# KiCad board frankenso.kicad_pcb (continued)
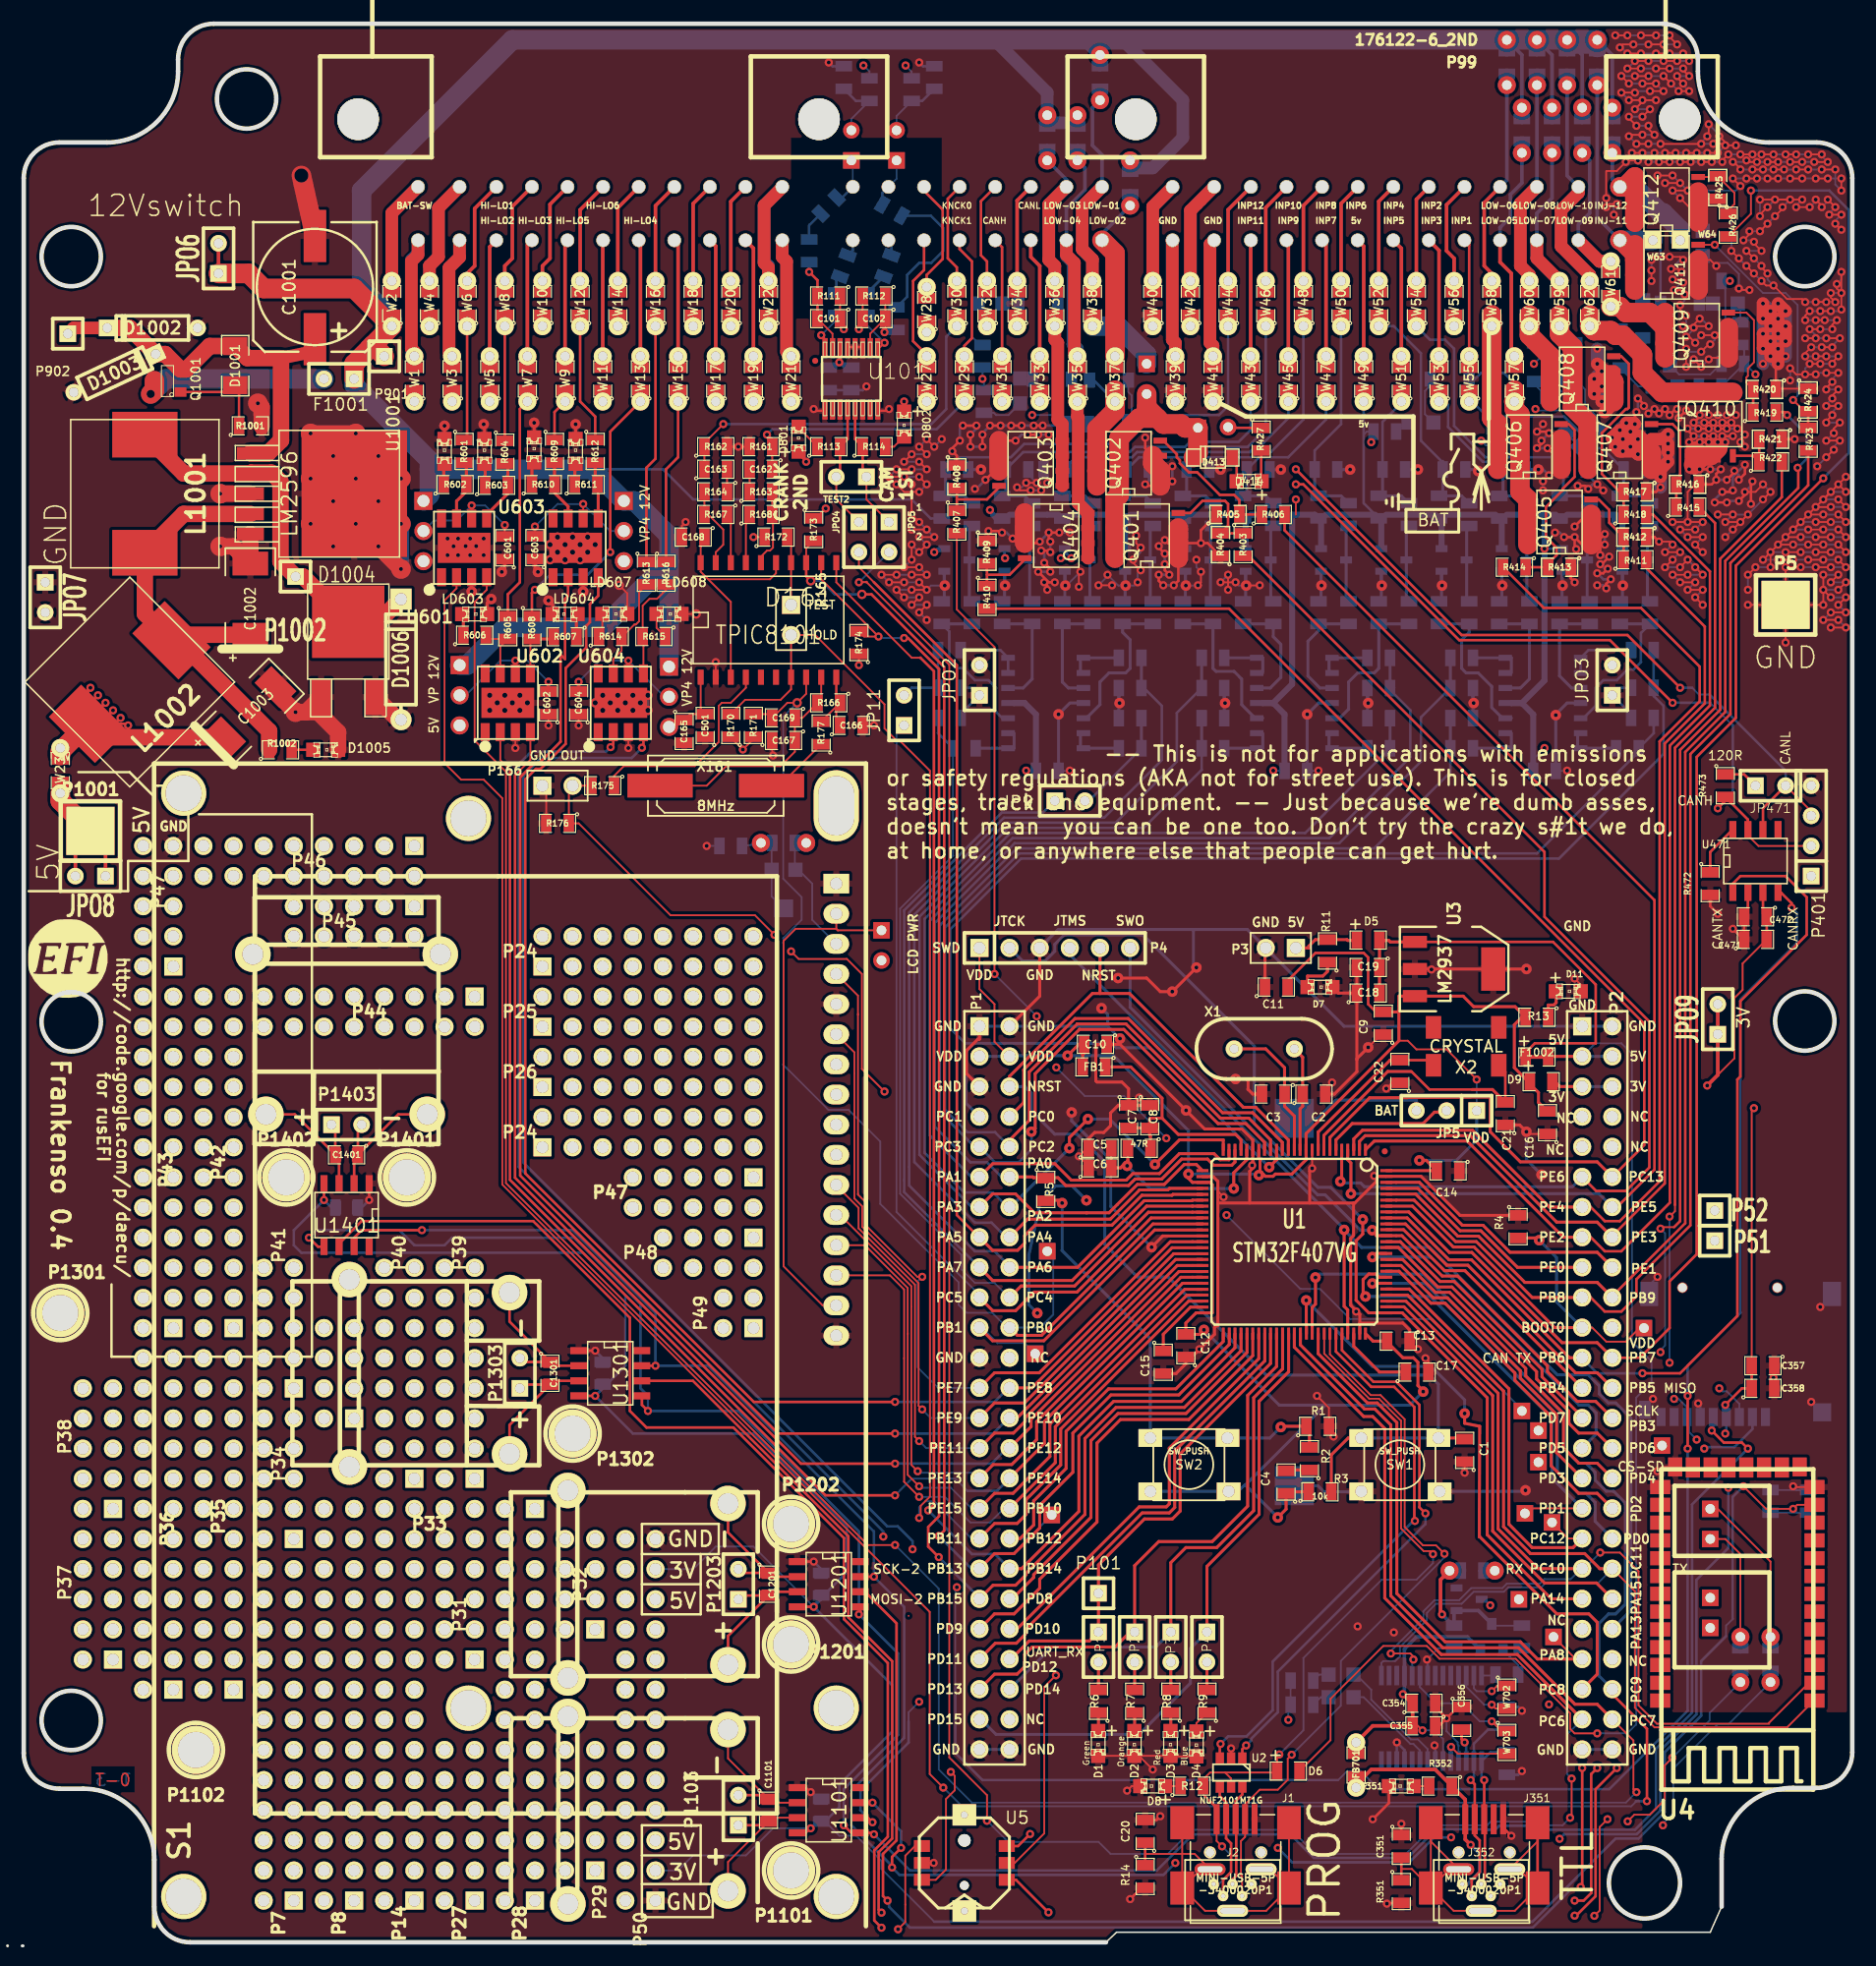
[diagram p0: board, top side]
## Routing (per net, layer and track width the routed paths; a pad name or vN(x,y) marks a point on that pad's centre or on a via; arc(x,y) is an arc through that point) (continued)
N-00000200: length 11
  Top w0.152: W5.2 W5.2
  Top w0.305: P99.3 39.28,142.91 W5.2
N-00000201: length 8.9
  Top w0.305: P99.14 38.01,146.14 38.01,141.31 37.37,140.67 W6.2
N-00000202: length 10.9
  Top w0.152: W7.2 W7.2
  Top w0.305: P99.4 42.45,143.09 W7.2
N-00000203: length 8.9
  Top w0.305: P99.15 41.18,146.32 41.18,141.94 40.55,141.31 W8.2
N-00000204: length 10.8
  Top w0.152: W9.2 W9.2
  Top w0.305: P99.5 45.63,143.26 W9.2
N-00000205: length 8.8
  Top w0.305: P99.16 44.36,146.49 44.36,141.94 43.72,141.31 W10.2
N-00000207: length 21.8
  Top w0.152: W3.2 W3.2
  Top w1.067: W3.2 35.85,133.94 35.85,141.14 36.73,142.03 P99.2
  Bottom w1.067: 35.85,133.94 W3.2 35.85,133.94 ; 35.85,133.94 35.85,141.14 36.73,142.03 P99.2
N-00000208: length 9.7
  Top w0.152: W12.2 W12.2
  Top w0.305: P99.17 46.9,146.03 W12.2
N-00000209: length 10.8
  Top w0.152: W13.2 W13.2
  Top w0.305: P99.7 51.98,143.32 W13.2
N-00000210: length 9.6
  Top w0.152: W14.2 W14.2
  Top w0.305: P99.18 50.07,146.21 W14.2
N-00000211: length 10.9
  Top w0.152: W15.2 W15.2
  Top w0.305: P99.8 55.15,143.15 W15.2
N-00000212: length 9.5
  Top w0.152: W16.2 W16.2
  Top w0.305: P99.19 53.25,146.38 W16.2
N-00000214: length 10.9
  Top w0.152: W17.2 W17.2
  Top w0.305: P99.9 58.33,142.97 W17.2
N-00000215: length 9.5
  Top w0.152: W18.2 W18.2
  Top w0.305: P99.20 56.42,146.56 W18.2
N-00000224: length 10
  Top w0.152: W30.2 W30.2
  Top w0.216: P99.34 77.88,146.97 77.88,141.94 78.65,141.18 W30.2
  Top w0.305: P99.34 78.65,147.66
N-00000232: length 21.5
  Top w0.152: W1.2 W1.2
  Top w1.067: P99.1 33.23,142.25 32.67,141.69 32.67,134.32 32.93,134.07 W1.2
  Bottom w1.067: 32.67,133.94 W1.2 32.67,133.94 ; 32.67,133.94 32.67,141.82 33.23,142.38 P99.1
N-00000243: length 1.6
  Bottom w0.152: D436.1 141.51,145.5 D435.2
N-00000244: length 2.3
  Bottom w0.152: R437.1 141.51,140.36 D435.1
N-00000245: length 1.8
  Bottom w0.152: R435.1 D431.1
N-00000246: length 2.4
  Bottom w0.152: D430.1 136.65,135.04 D429.2
N-00000247: length 5
  Bottom w0.152: D429.1 139.51,132.16 142.15,132.16 143.04,133.05 R434.1
N-00000248: length 3.4
  Bottom w0.152: D432.1 136.1,131.15 D431.2
N-00000249: length 1.1
  Bottom w0.152: D433.2 142.34,138.16 D434.1
N-00000250: length 1.7
  Bottom w0.152: D433.1 144.69,137.91 R436.1
N-00000251: length 5.7
  Top w0.216: 81.19,115.27 83.09,115.27 84.36,116.54 Q404.1 ; 81.19,115.27 R410.1 ; 81.19,115.27 R409.2
N-00000252: length 12.2
  Top w0.216: R406.1 R405.2 102.46,121.56 102.01,122 100.81,122 98.9,123.91 98.2,123.91 97.44,124.67 97.44,124.92 97.19,125.18 97.19,125.43 96.05,126.58 Q402.1
N-00000253: length 16.5
  Top w0.216: Q406.1 130.21,127.97 130.71,127.47 130.71,123.52 129.7,122.51 129.7,122.38 128.3,120.99 128.3,118.45 129.19,117.56 129.19,116.92 128.49,116.23 R413.2 R414.1
N-00000254: length 3.7
  Bottom w0.152: D415.2 93.38,128.45 93.38,130.39 93.1,130.67 D416.1
N-00000255: length 2.6
  Top w0.216: D414.1 104.3,123.18 R427.2
N-00000256: length 2.2
  Top w0.216: D413.1 102.24,124.78 D414.2
N-00000257: length 4.9
  Bottom w0.152: D426.1 130.94,131.55 131.61,130.89 131.61,129.58 132.6,128.59 D425.2
N-00000258: length 4.1
  Bottom w0.152: D421.2 118.1,128.81 118.1,130.77 118.55,131.22 D422.1
N-00000259: length 1.4
  Bottom w0.152: R430.1 116.43,128.1 D421.1
N-00000260: length 1.3
  Bottom w0.152: D424.1 123.86,130.94 D423.2
N-00000261: length 2.5
  Bottom w0.152: R431.1 124.21,127.69 D423.1
N-00000262: length 1.7
  Bottom w0.152: D425.1 130.04,127.16 R432.1
N-00000263: length 1.7
  Bottom w0.152: D427.2 127.31,131.34 D428.1
N-00000264: length 2.2
  Bottom w0.152: R433.1 129.07,131.27 130.08,130.26 D427.1
N-00000265: length 1.4
  Bottom w0.152: R438.1 90.01,128.23 D415.1
N-00000266: length 1.4
  Bottom w0.152: D418.1 83.85,138.13 D417.2
N-00000267: length 4.2
  Bottom w0.152: D417.1 79.92,137.66 79.92,135.34 80.61,134.64 R428.1
N-00000268: length 1.1
  Bottom w0.152: D420.1 84.96,131.82 D419.2
N-00000269: length 3.5
  Bottom w0.152: D419.1 83,128.73 81.95,128.73 81.76,128.93 R429.1
N-00000270: length 21.7
  Top w0.152: v2(149.13,130) 150.08,129.05 R424.2 ; Q411.1 v2(142.53,143.09)
  Top w0.216: R424.2 R423.1
  Bottom w0.152: v2(142.53,143.09) 146.59,139.02 148.5,139.02 149.51,138.01 149.51,130.39 v2(149.13,130)
N-00000271: length 10.7
  Top w0.152: R420.2 145.19,131.47 145.19,131.91 145.32,132.04 145.32,132.67 145.83,133.18 145.83,136.74 145.19,137.37 Q409.1
  Top w0.216: R420.2 R419.1
N-00000273: length 4.3
  Top w0.216: R421.2 R422.1 145.77,125.31 144.05,125.31
N-00000274: length 16.2
  Top w0.216: Q408.1 134.65,133.69 135.28,133.05 135.28,129.36 135.16,129.24 135.03,129.24 133.01,127.22 133.01,123.78 134.53,122.26 R417.2 R418.1
N-00000275: length 5.8
  Top w0.152: R425.2 142.72,148.8 ; R425.2 142.72,148.8 ; R425.2 144.18,147.47 144.18,146.51 143.67,146.01 R426.1 ; R425.2 142.72,148.8 ; 142.72,148.8 Q412.1
N-00000277: length 9.4
  Top w0.216: Q401.1 98.33,120.48 99.35,121.5 101.25,121.5 101.51,121.24 101.51,119.4 R404.2 R403.1
N-00000278: length 6
  Top w0.216: 78.65,121.62 81.19,121.62 82.2,122.64 Q403.1 ; 78.65,121.62 R408.2 ; 78.65,121.62 R407.1
N-00000279: length 6.6
  Top w0.216: Q405.1 132.75,121.62 133.64,120.73 133.64,119.65 R412.2 R411.1
N-00000280: length 9.2
  Top w0.216: R415.1 R416.2 139.61,123.21 139.61,127.34 138.97,127.97 Q407.1
N-00000281: length 6.5
  Bottom w0.254: R222.2 131.77,119.17 D220.2 131.77,113.24 R223.1
N-00000282: length 6.5
  Bottom w0.254: R212.2 136.85,119.17 D210.2 136.85,113.24 R213.1
N-00000283: length 4.5
  Bottom w0.254: R294.1 89.06,100.65 89.06,101.92
N-00000284: length 4.5
  Bottom w0.254: 89.06,107 89.06,108.27 R304.1
N-00000285: length 13.6
  Bottom w0.254: 110.02,103.19 110.9,103.19 111.67,103.95 111.67,106.24 112.43,107 113.83,107 114.21,107.38 C250.2 R253.2
N-00000286: length 9.5
  Bottom w0.254: 110.02,105.73 109.25,105.73 108.24,106.74 108.24,109.66 109.13,110.55 C260.2 R263.2
N-00000287: length 6.5
  Bottom w0.254: R302.2 89.86,119.17 D300.2 89.86,113.24 R303.1
N-00000288: length 6.5
  Bottom w0.254: 116.75,119.38 116.53,119.17 D250.2 116.53,113.24 R253.1
N-00000289: length 6.5
  Bottom w0.254: 111.67,119.38 111.45,119.17 D260.2 111.45,113.24 R263.1
N-00000290: length 6.5
  Bottom w0.254: R292.2 94.94,119.17 D290.2 94.94,113.24 R293.1
N-00000291: length 6.5
  Bottom w0.254: 105.32,119.38 105.1,119.17 D270.2 105.1,113.24 R273.1
N-00000292: length 6.5
  Bottom w0.254: R282.2 100.02,119.17 D280.2 100.02,113.24 R283.1
N-00000293: length 5.5
  Bottom w0.216: R314.1 82.31,108.92 82.96,108.27 U203.6
N-00000294: length 9.2
  Bottom w0.254: 89.06,105.73 88.04,105.73 87.54,106.24 C300.2 R303.2
N-00000295: length 13.6
  Bottom w0.254: 89.06,103.19 89.57,103.19 90.71,104.33 90.71,106.24 91.47,107 92.87,107 93.25,107.38 93.25,109.79 92.62,110.43 C290.2 R293.2
N-00000296: length 9
  Bottom w0.254: 125.38,105.73 126.14,105.73 126.91,106.49 R233.2 C230.2
N-00000297: length 4.5
  Bottom w0.254: R234.1 125.38,108.27 125.38,107
N-00000298: length 4.5
  Bottom w0.254: R244.1 125.38,100.65 125.38,101.92
N-00000299: length 13.5
  Bottom w0.254: 125.38,103.19 124.62,103.19 123.73,104.08 123.73,105.85 122.59,107 121.57,107 121.19,107.38 121.19,109.79 121.83,110.43 R243.2 C240.2
N-00000300: length 5.8
  Bottom w0.216: U201.9 131.22,108.27 131.88,108.92 R224.1
N-00000301: length 4.5
  Bottom w0.254: 104.43,107 104.43,108.27 R274.1
N-00000302: length 4.5
  Bottom w0.254: 110.02,107 110.02,108.27 R264.1
N-00000303: length 13.5
  Bottom w0.254: 104.43,103.19 103.79,103.19 102.65,104.33 102.65,106.49 102.01,107.12 100.49,107.12 100.24,107.38 R283.2 C280.2
N-00000304: length 4.5
  Bottom w0.254: R254.1 110.02,100.65 110.02,101.92
N-00000305: length 6.5
  Bottom w0.254: R312.2 84.78,119.17 D310.2 84.78,113.24 R313.1
N-00000306: length 4.5
  Bottom w0.254: R284.1 104.43,100.65 104.43,101.92
N-00000307: length 9.2
  Bottom w0.254: 104.43,105.73 105.06,105.73 105.95,106.62 105.95,109.41 105.32,110.05 R273.2 C270.2
N-00000308: length 8.9
  Bottom w0.254: R223.2 C220.2 129.45,106.74 130.46,105.73 130.97,105.73
N-00000312: length 4.5
  Bottom w0.254: 130.97,101.92 130.97,100.65 R214.1
N-00000313: length 14
  Bottom w0.216: R213.2 136.3,110.36 136.3,107.91 135.67,107.27 135.16,107.27 134.27,106.38 133.13,106.38 132.49,105.75 132.49,104.22 131.46,103.19 131.22,103.19
  Bottom w0.254: R213.2 C210.2
N-00000314: length 4.5
  Bottom w0.254: R324.1 83.47,100.65 83.47,101.92
N-00000315: length 9
  Bottom w0.254: 83.47,105.73 84.23,105.73 85,106.49 R313.2 C310.2
N-00000316: length 14
  Bottom w0.216: C320.2 78.01,110.49 78.01,108.03 78.65,107.4 79.15,107.4 80.17,106.38 81.31,106.38 81.95,105.75 81.95,103.72 82.48,103.19 82.96,103.19
  Bottom w0.254: C320.2 R323.2
N-00000317: length 6.5
  Bottom w0.254: R322.2 79.7,119.17 D320.2 79.7,113.24 R323.1
N-00000320: length 9.1
  Bottom w0.216: R294.2 89.78,96.22 JP9.2
  Bottom w0.254: R295.1 R294.2
N-00000321: length 6.5
  Bottom w0.254: R232.2 126.69,119.17 D230.2 126.69,113.24 R233.1
N-00000322: length 6.5
  Bottom w0.254: R242.2 121.61,119.17 D240.2 121.61,113.24 R243.1
N-00000324: length 6.3
  Bottom w0.216: JP11.2 74.84,105.75 R315.1 R314.2
N-00000343: length 1.5
  Bottom w0.152: R702.2 109.19,22.56 D702.1
N-00000344: length 10.3
  Bottom w0.152: U351.22 118.33,16.28 117.51,17.1 116.92,17.1 113.57,20.45 113.57,21.29 112.3,22.56 D702.2
N-00000345: length 1.6
  Bottom w0.152: R701.2 109.32,20.66 D701.1
N-00000346: length 8.3
  Bottom w0.152: D701.2 112.94,20.66 116.87,16.72 117.13,16.72 117.68,16.17 U351.23
N-00000348: length 12.8
  Top w0.305: v2(119.54,27.64) 119.41,27.77 119.41,30.56 W701.2
  Bottom w0.152: Q701.3 123.88,26.69 C701.2
  Bottom w0.305: Q701.3 122.61,27.96 D703.1 120.56,27.75 C702.1 120.49,26.69 v2(119.54,27.64)
N-00000353: length 4.2
  Bottom w0.152: R703.1 125.95,23.37 Q701.1 124.83,24.79 C701.1
N-00000364: length 2.8
  Top w0.216: v2(121.45,16.85) 121.19,17.1 C356.2
  Bottom w0.216: v2(121.45,16.85) 121.58,16.72 U351.17
N-00000365: length 1.3
  Top w0.152: R352.2 D351.1
N-00000372: length 2.9
  Top w0.216: JP471.1 145,98.45 R473.1
N-00000373: length 4.4
  Top w0.216: U471.8 142.15,91.9 R472.1
N-00000376: length 2
  Bottom w0.216: R104.2 71.15,139.09 R109.1
N-00000377: length 2.6
  Bottom w0.216: R102.2 66.2,144.74 R107.1
N-00000379: length 12.8
  Bottom w0.216: R110.1 74.46,138.7 74.46,140.55 75.47,141.56 76.49,141.56 77.5,142.58 77.5,144.48 76.46,145.53 R106.2
N-00000380: length 1.5
  Bottom w0.216: R103.2 68.49,140.1 R108.1
N-00000381: length 5.7
  Bottom w0.152: R137.2 69.76,153.69 W1002.2
  Bottom w0.216: R801.2 70.14,155.21 R137.2
N-00000382: length 5.3
  Bottom w0.152: R141.2 73.57,153.94 W1003.2
  Bottom w0.216: R802.2 75.73,155.21 R141.2
N-00000384: length 2.3
  Top w0.152: R113.1 65.31,127.66 D801.2
N-00000385: length 1.9
  Top w0.152: D802.2 73.35,126.07 R114.2
N-00000387: length 7.1
  Top w0.152: R112.1 C102.1 71.34,135.59 U101.10
  Top w0.216: v2(72.55,135.72) 72.61,135.78 C102.1
  Bottom w0.216: v2(72.55,135.72) 72.74,135.91 R110.2
N-00000388: length 8
  Top w0.152: C101.2 68.17,135.59 U101.15
  Top w0.216: v2(66.2,140.8) 66.9,140.1 R111.2 C101.2
  Bottom w0.216: R107.2 v2(66.2,140.8)
N-00000389: length 7.8
  Top w0.152: v2(67.22,135.47) 67.53,135.15 U101.16 ; R111.1 C101.1
  Top w0.216: v2(69.12,135.97) 68.8,136.29 C101.1
  Bottom w0.152: v2(67.22,135.47) 68.49,136.74 R108.2
  Bottom w0.216: v2(69.12,135.97) 68.49,136.61 R108.2
N-00000390: length 8.1
  Top w0.152: v2(72.55,134.83) 72.19,134.47 U101.9 ; R112.2 C102.2
  Top w0.216: v2(70.39,135.97) 70.71,136.29 C102.2
  Bottom w0.152: v2(72.55,134.83) 71.03,136.35 R109.2
  Bottom w0.216: v2(70.39,135.97) 71.03,136.61 R109.2
N-00000392: length 1.9
  Top w0.254: LD604.1 46.58,111.86 R607.1
N-00000393: length 1.8
  Top w0.254: LD603.1 37.05,111.86 R606.1
N-00000394: length 1.8
  Top w0.254: LD602.1 38.9,124.56 R603.1
N-00000395: length 5.5
  Top w0.254: R604.2 40.8,124.4 40.8,122.12 39.02,120.34 U601.5
N-00000399: length 4.9
  Top w0.152: R608.2 42.71,109.73 U602.5
  Top w0.254: R608.2 44.48,109.86 R607.2
N-00000402: length 5.1
  Top w0.152: R606.2 39.28,109.86 R605.2 40.17,109.23 U602.7
N-00000403: length 5.1
  Top w0.254: R601.2 37.31,124.53 37.31,122.31 36.48,121.48 U601.7
N-00000404: length 1.8
  Top w0.254: LD601.1 35.4,124.56 R602.1
N-00000405: length 2
  Top w0.254: LD605.1 42.83,124.56 R610.1
N-00000406: length 5.2
  Top w0.254: R609.2 44.74,122.18 45.88,121.04 U603.7
N-00000410: length 2
  Top w0.152: R614.1 48.77,110.35 LD607.1
N-00000411: length 8.8
  Top w0.152: R613.2 51.86,113.82 51.86,111.35 51.6,111.08 51.47,111.08 50.45,110.07 R614.2 50.39,108.86 49.69,108.16 U604.7
N-00000412: length 1.8
  Top w0.254: LD606.1 46.45,124.56 R611.1
N-00000413: length 4.8
  Top w0.254: R612.2 48.17,123.07 48.42,122.81 U603.5
N-00000417: length 8.7
  Top w0.152: U604.5 52.23,110 R615.2 52.17,112.67 52.74,113.24 53.37,113.24 54.14,114 R616.2
N-00000418: length 2.2
  Top w0.152: R615.1 53.34,110.8 LD608.1
N-00000419: length 5.6
  Top w0.152: R177.1 63.72,97.49 63.03,97.49
N-00000421: length 20.1
  Top w0.152: X161.1 57.56,97.49 59.22,99.14 63.79,99.14 64.99,100.35 C167.1 C169.1 65.63,103.21 R166.2 67.22,104.8 D161.9
N-00000422: length 8.7
  Top w0.152: C166.1 68.49,102.89 D161.10 68.49,104.8 R166.1 R177.2
N-00000423: length 1.9
  Top w0.152: C163.2 R164.1
N-00000425: length 1.9
  Top w0.152: C162.2 R163.1
N-00000426: length 6.6
  Top w0.152: D161.16 62.14,116.8 62.64,117.3 62.9,117.3 63.15,117.56 63.15,119.59 63.09,119.65 R168.2 R163.2
N-00000427: length 7.1
  Top w0.152: D161.19 58.33,117.18 58.96,117.81 58.96,119.08 57.69,120.35 R167.2 R164.2
N-00000430: length 4.2
  Top w0.152: R168.1 60.87,120.04 D161.17
N-00000431: length 4.2
  Top w0.152: R167.1 59.6,120.04 D161.18
N-00000432: length 19.8
  Top w0.152: C168.1 57.06,118.13 D161.20 57.06,115.53 57.69,114.89 ; 57.69,114.89 62.9,114.89 63.41,115.4 D161.15 ; 57.69,114.89 59.6,112.99 D161.3
N-00000433: length 8.4
  Top w0.203: D1001.1 18.15,130.93 R1001.1
  Top w0.216: D1001.1 17.26,130.68 Q1001.1
N-00000438: length 1.8
  Top w0.203: R1002.2 D1005.1
N-00000440: length 18.2
  Top w0.254: C6.2 92.05,65.28 ; 92.05,65.28 92.44,65.28 92.61,65.45 v1(93,65.45) 93,65.84 93.06,65.9 R10.2 ; 92.05,65.28 91.66,65.66 C5.2 ; v1(101.99,63.54) 101.99,64.87 103.08,65.96 U1.21
  Bottom w0.254: v1(93,65.45) 94.91,63.54 v1(101.99,63.54)
N-00000441: length 13.9
  Top w0.216: X2.1 118.39,74.36 C22.2
  Top w0.254: C22.2 115.16,74.36 109.1,68.3 U1.9
N-00000445: length 23.2
  Top w0.216: 122.08,71.88 118.48,71.88 116.96,73.4 116.87,73.4 ; X2.2 124.87,73.37 C21.2
  Top w0.254: 116.87,73.4 114.97,73.4 109.58,68.02 U1.8 ; 122.08,71.88 123.79,71.88 C21.2
N-00000446: length 8.9
  Top w0.254: X1.2 107.79,74.61 C2.1 107.79,70.47 107.58,70.25 U1.12
N-00000448: length 2
  Top w0.152: R9.1 98.84,18.48 D4.1
N-00000449: length 3.6
  Top w0.254: D7.1 108.2,81.45 109.5,81.45 109.89,81.84 R11.1
N-00000450: length 1.3
  Top w0.152: D8.1 R12.1
N-00000451: length 2.7
  Top w0.254: R13.1 128.49,79 128.96,79 129.16,79.2 129.16,80.13
N-00000454: length 1.6
  Top w0.254: R6.1 90.58,17.81
N-00000455: length 1.6
  Top w0.254: R7.1 93.63,17.81
N-00000456: length 1.6
  Top w0.254: R8.1 96.68,17.81
N-00000463: length 2.3
  Top w0.254: JP4.2 R9.2
N-00000464: length 2.3
  Top w0.254: JP3.2 R8.2
N-00000465: length 2.3
  Top w0.254: JP2.2 R7.2
N-00000466: length 2.3
  Top w0.254: JP1.2 R6.2
N-00000467: length 39.8
  Top w0.254: v1(105.95,43.43) 106.01,43.49 R1.1 108.36,43.24 R2.2 ; v1(87.52,62.31) 87.4,62.31 87.17,62.54 86.14,62.54
  Bottom w0.254: v1(105.95,43.43) 105.03,42.51 SW2.1 SW2.1 94.95,50.87 87.52,58.31 v1(87.52,62.31)
N-00000468: length 5.5
  Top w0.254: 112.36,84.45 111.59,84.45 111.53,84.52 R11.2 108.86,84.52 108.31,83.97 108.31,83.82 107.22,83.82
N-00000470: length 11.8
  Bottom w0.254: BT1.1 109.07,69.46 110.6,70.99 117.38,70.99 JP5.3
N-00000471: length 11.2
  Top w0.254: JP5.2 119.79,69.97 118.91,69.97 117.94,69.01 111.97,69.01 110.6,67.64 U1.6
N-00000475: length 12.2
  Top w0.254: X1.1 104.68,75.31 106.27,73.72 C3.1 106.27,70.47 107.09,69.64 U1.13
N-00000476: length 6.4
  Top w0.254: C17.1 114.27,48.07 112.1,50.24 U1.73
N-00000477: length 5.7
  Top w0.254: U1.49 98.34,53.54 96.05,51.25 C15.1
N-00000478: length 2
  Top w0.254: C4.2 106.46,39.81 R2.1
N-00000479: length 21.2
  Top w0.254: C8.2 94.9,68.02 94.97,67.96 R10.1 ; C8.2 C7.2 ; C8.2 94.9,69.42 94.95,69.47 95.94,69.47 ; FB1.1 93.31,73.78 95.94,71.15 95.94,69.47 ; U1.22 102.6,67.64 102.14,68.1 97.31,68.1 95.94,69.47

## Copper pours and planes (outline as drawn; the poured copper is in the pictures)
/DD_HIP9011/5V on PWR: 173.9,-10.46 173.9,180.04 -8.98,180.04 -8.98,-10.46 ; 2 cut-outs
GND on Top: 168.82,-5.38 -3.9,-5.38 -3.9,174.96 168.82,174.96 ; 2 cut-outs
GND on Bottom: 171.36,177.5 171.36,-7.92 -6.44,-7.92 -6.44,177.5 ; 2 cut-outs
GND on GND: 176.44,-13 176.44,182.58 -11.52,182.58 -11.52,-13 ; 2 cut-outs

## Text on the board
Bottom: T-3
B.SilkS: KNCK0 | KNCK1 | CANH | CANL | LOW-03 | LOW-04 | LOW-01 | LOW-02 | LOW-06 | LOW-05 | LOW-08 | LOW-07 | LOW-10 | LOW-09 | LOW-12 | LOW-11 | NC | GND | BAT-SW | HI-LO1 | HI-LO2 | HI-LO3 | HI-LO5 | HI-LO6 | HI-LO4 | 1 / 2 | W27 | INP12 | INP11 | INP10 | INP9 | INP8 | INP7 | INP6 | 5V | 5v | INP4 | INP5 | INP2 | INP3 | INP1 | HI-LO VOLTAGE | 2 / 1 | OUT | HOLD | TEST | MICRO-SDCARD- / -3300060P1 | SCK-2 | 12V | VP2 | VP | VP3 | VP4 | PULL UP | MOSI-2 | W28 | W30 | W29 | UART_RX | CAN TX | RX | W60 | W59 | W62 | W61 | SCLK | W63 | W64 | MISO | TX | CS-SD | CRK+ | CAM+ | PD13 | PD15 | SWD | PC3 | VDD | PC1 | PA1 | PA3 | PA5 | PA7 | PC5 | PB1 | PE7 | PE9 | PE11 | PE13 | PE15 | PB11 | PB13 | PB15 | PD9 | PD11 | JTCK | PA4 | PA6 | PA0 | PA2 | PC4 | PB0 | PE8 | PB14 | PD8 | PD10 | PD12 | PD14 | PC0 | PC2 | NRST | PE10 | PE12 | PE14 | PB12 | JTMS | SWO | BAT | BOOT0 | PC10 | PE6 | PE4 | PE2 | PE0 | PB8 | PB6 | PB4 | PD7 | PC12 | PA8 | PC8 | PC6 | PA14 | PD1 | PD3 | 3V | PE5 | PE3 | PE1 | PB9 | PB7 | PB5 | PD4 | PD2 | PD0 | PC9 | PC7 | PC13 | PC11 | PA15 | PA13 | LCD PWR | PB10 | PD5 | PB3 | PD6 | W2 | W1 | W4 | W3 | W6 | W5 | W8 | W7 | W10 | W9 | W12 | W11 | W14 | W13 | W16 | W15 | W18 | W17 | W20 | W19 | W22 | W21 | HALL                               VR | DNP HALL DNP | W38 | W40 | W39 | W42 | W41 | W44 | W43 | W46 | W45 | W48 | W47 | W50 | W49 | W52 | TPS | W51 | W54 | MASS / AIR FLOW / SENSOR | W56 | W58 | CAM- | Switching buck regulator aprox 80% eff / Input 7V to 18V continious 3.5A max / peak 100V for 40mS per ISO 7637-2 / Output 5V at 3A with less than 50mV ripple | KNCK2 | IAT | CLT | CRK- | Notes / -- This board draws .12 amps on average and .30      amps peak. / Suggested 5A fused for this board. -- Injectors should have disconnect / switches / relays and fuses as required. -- HI/LO driver should be limited / to 1/8 amps or less unless they can be kept cold enough. -- If you wire / CAM or CRANK for hall input, the input will float to 2.5V. Then the + will / trigger when crossing 2.5V. / -- Analog inputs can be configured via / installing pull up and pull down resistors. | 12Vswitch | http://rusefi.com/ / rusEFI | FIRE ESTINGUISHER REQUIRED
Dwgs.User: 4 layer board stackup is as follows: / T-0 is top 1 oz copper (1.4 mil) / 6.7 mil prepreg FR4 / T-1 is GND 0.5 oz copper (0.7 mil) / 47 mil core FR4 / T-2 is PWR 0.5 oz copper (0.7 mil) / 6.7 mil prepreg FR4 / T-3 is bottom 1 oz copper (1.4 mil)
Top: T-0
F.SilkS: Green | Orange | Red | Blue | LOW-10 | KNCK0 | KNCK1 | CANH | CANL | LOW-03 | LOW-04 | LOW-01 | LOW-02 | LOW-06 | LOW-05 | LOW-08 | LOW-07 | LOW-09 | INJ-12 | INJ-11 | 5v | BAT-SW | HI-LO1 | HI-LO2 | HI-LO3 | HI-LO5 | HI-LO6 | HI-LO4 | 1 / 2 | GND | INP12 | INP11 | INP10 | INP9 | INP8 | INP7 | INP6 | INP4 | INP5 | INP2 | INP3 | INP1 | MINI-USB-5P / -3400020P1 | OUT | TEST | HOLD | 120R | CANTX | CANRX | MOSI-2 | CAN TX | SCK-2 | UART_RX | RX | CS-SD | SCLK | MISO | TX | 5V  VP 12V | VP4 12V | PE13 | PE15 | PB11 | PB13 | PB15 | PD11 | PD13 | PD15 | SWD | PE11 | PC3 | VDD | PC1 | PA1 | PA3 | PA5 | PA7 | PC5 | PB1 | PE7 | PE9 | PD9 | JTCK | NC | PA0 | PA2 | PA4 | PA6 | PC4 | PB0 | PE8 | PD8 | PD12 | PC0 | PC2 | PD10 | PD14 | NRST | PE10 | PE12 | PE14 | PB10 | PB12 | PB14 | JTMS | SWO | 5V | BAT | BOOT0 | PC12 | PC10 | PA14 | PE6 | PE4 | PE2 | PE0 | PB8 | PB6 | PB4 | PD7 | PD5 | PD3 | PD1 | PA8 | PC8 | PC6 | 3V | PD0 | PB9 | PB7 | PB5 | PB3 | PD6 | PD4 | PC7 | PE5 | PE3 | PE1 | PC13 | LCD PWR | PD2 | PC11 | PA15 | PA13 | PC9 | http://code.google.com/p/daecu/ / for rusEFI | CRANK / 2ND | CAM / 1ST | -- This is not for applications with emissions / or safety regulations (AKA not for street use). This is for closed / stages, track and equipment. -- Just because we're dumb asses, / doesn't mean  you can be one too. Don't try the crazy s#1t we do, / at home, or anywhere else that people can get hurt. | Frankenso 0.4 | 12Vswitch | PROG | TTL
PWR: T-1
GND: T-2
